# Altium PCB RP2350.PcbDoc (part 1 of 2) (continued)
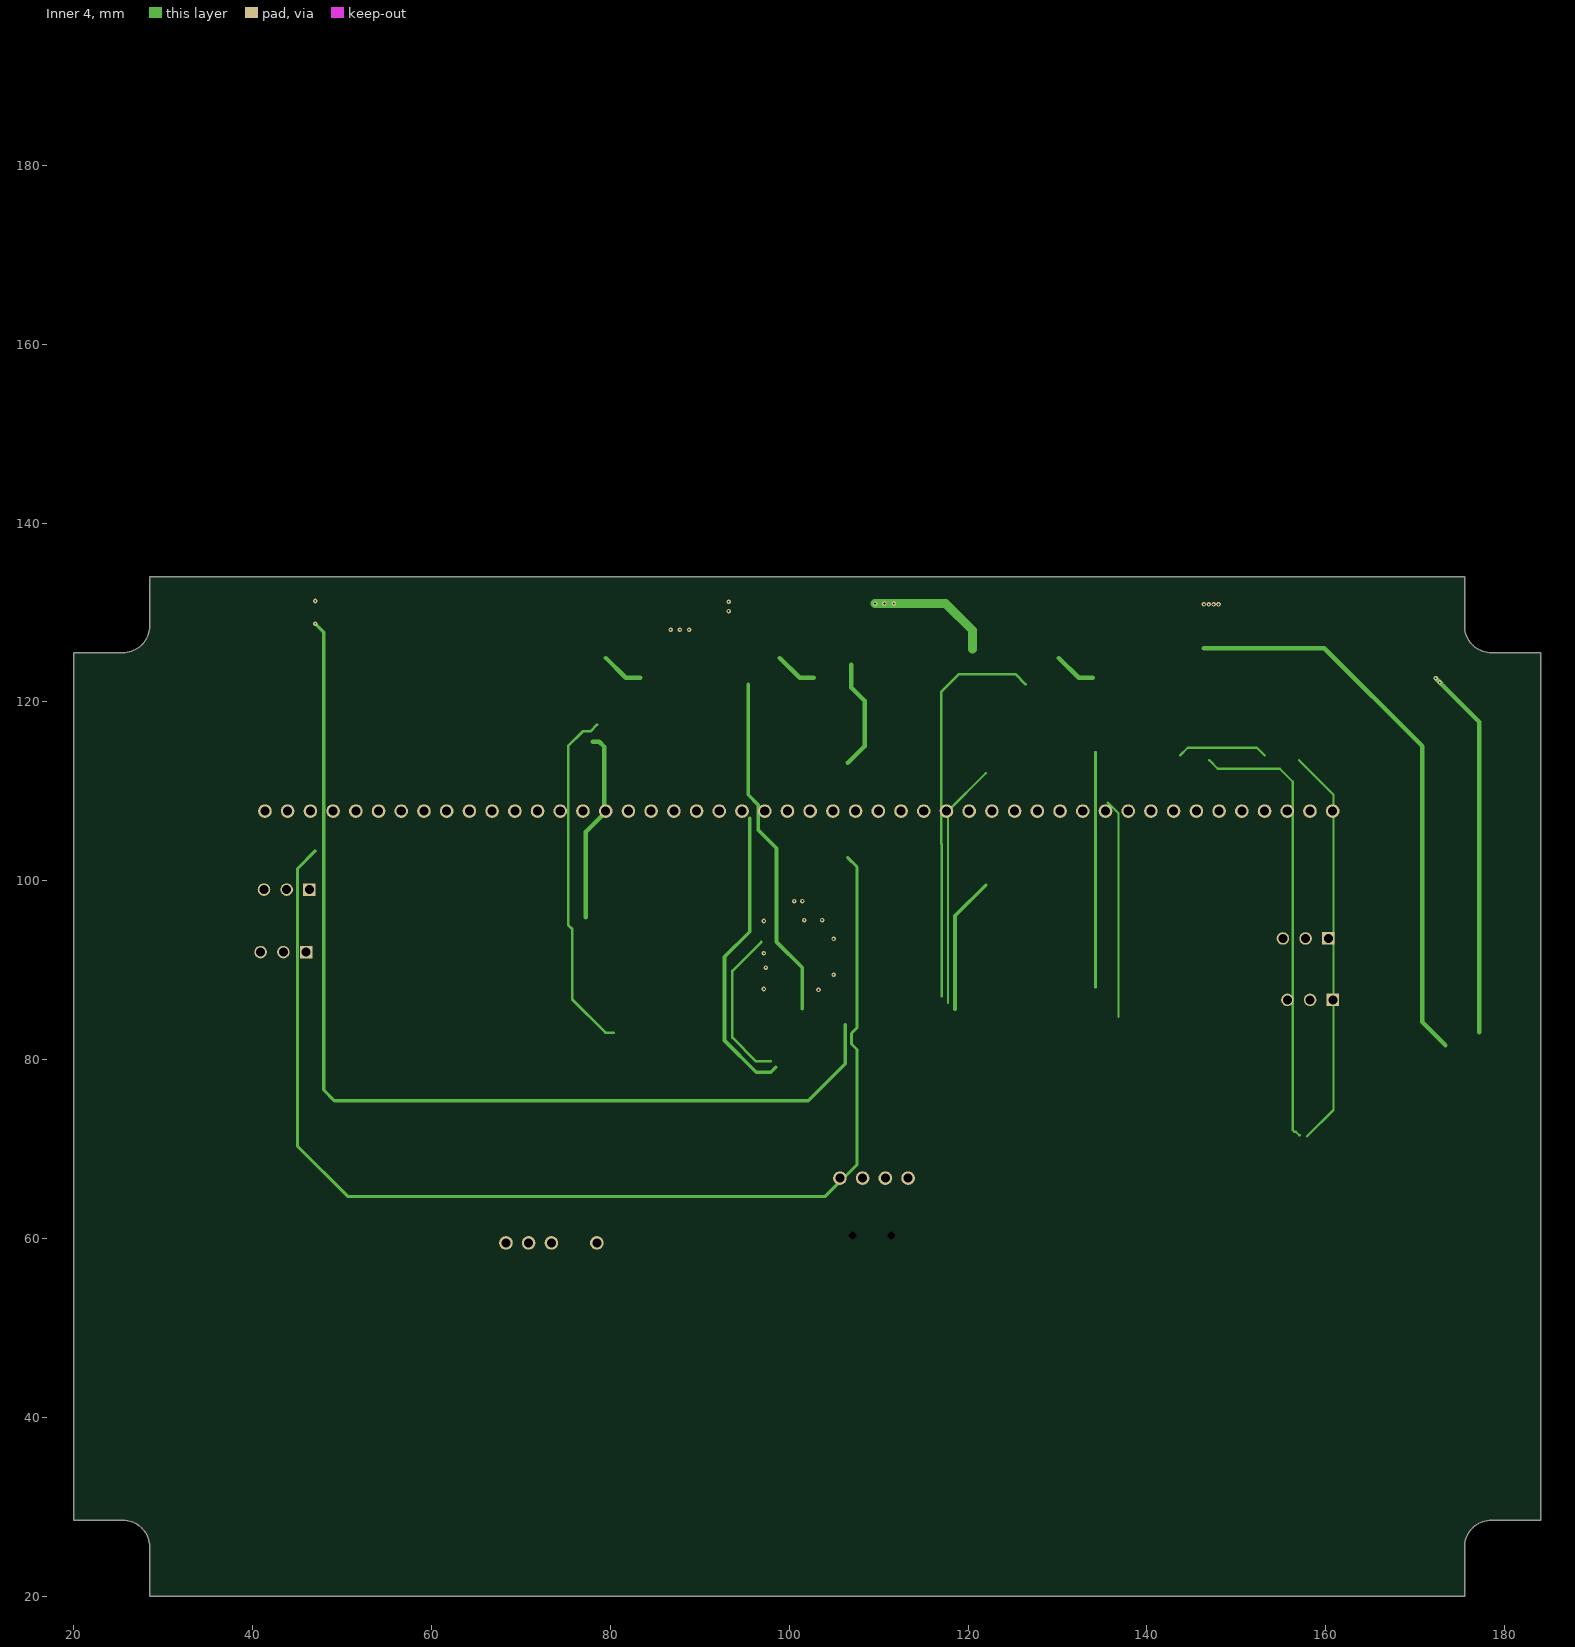
[diagram p6: Inner 4]
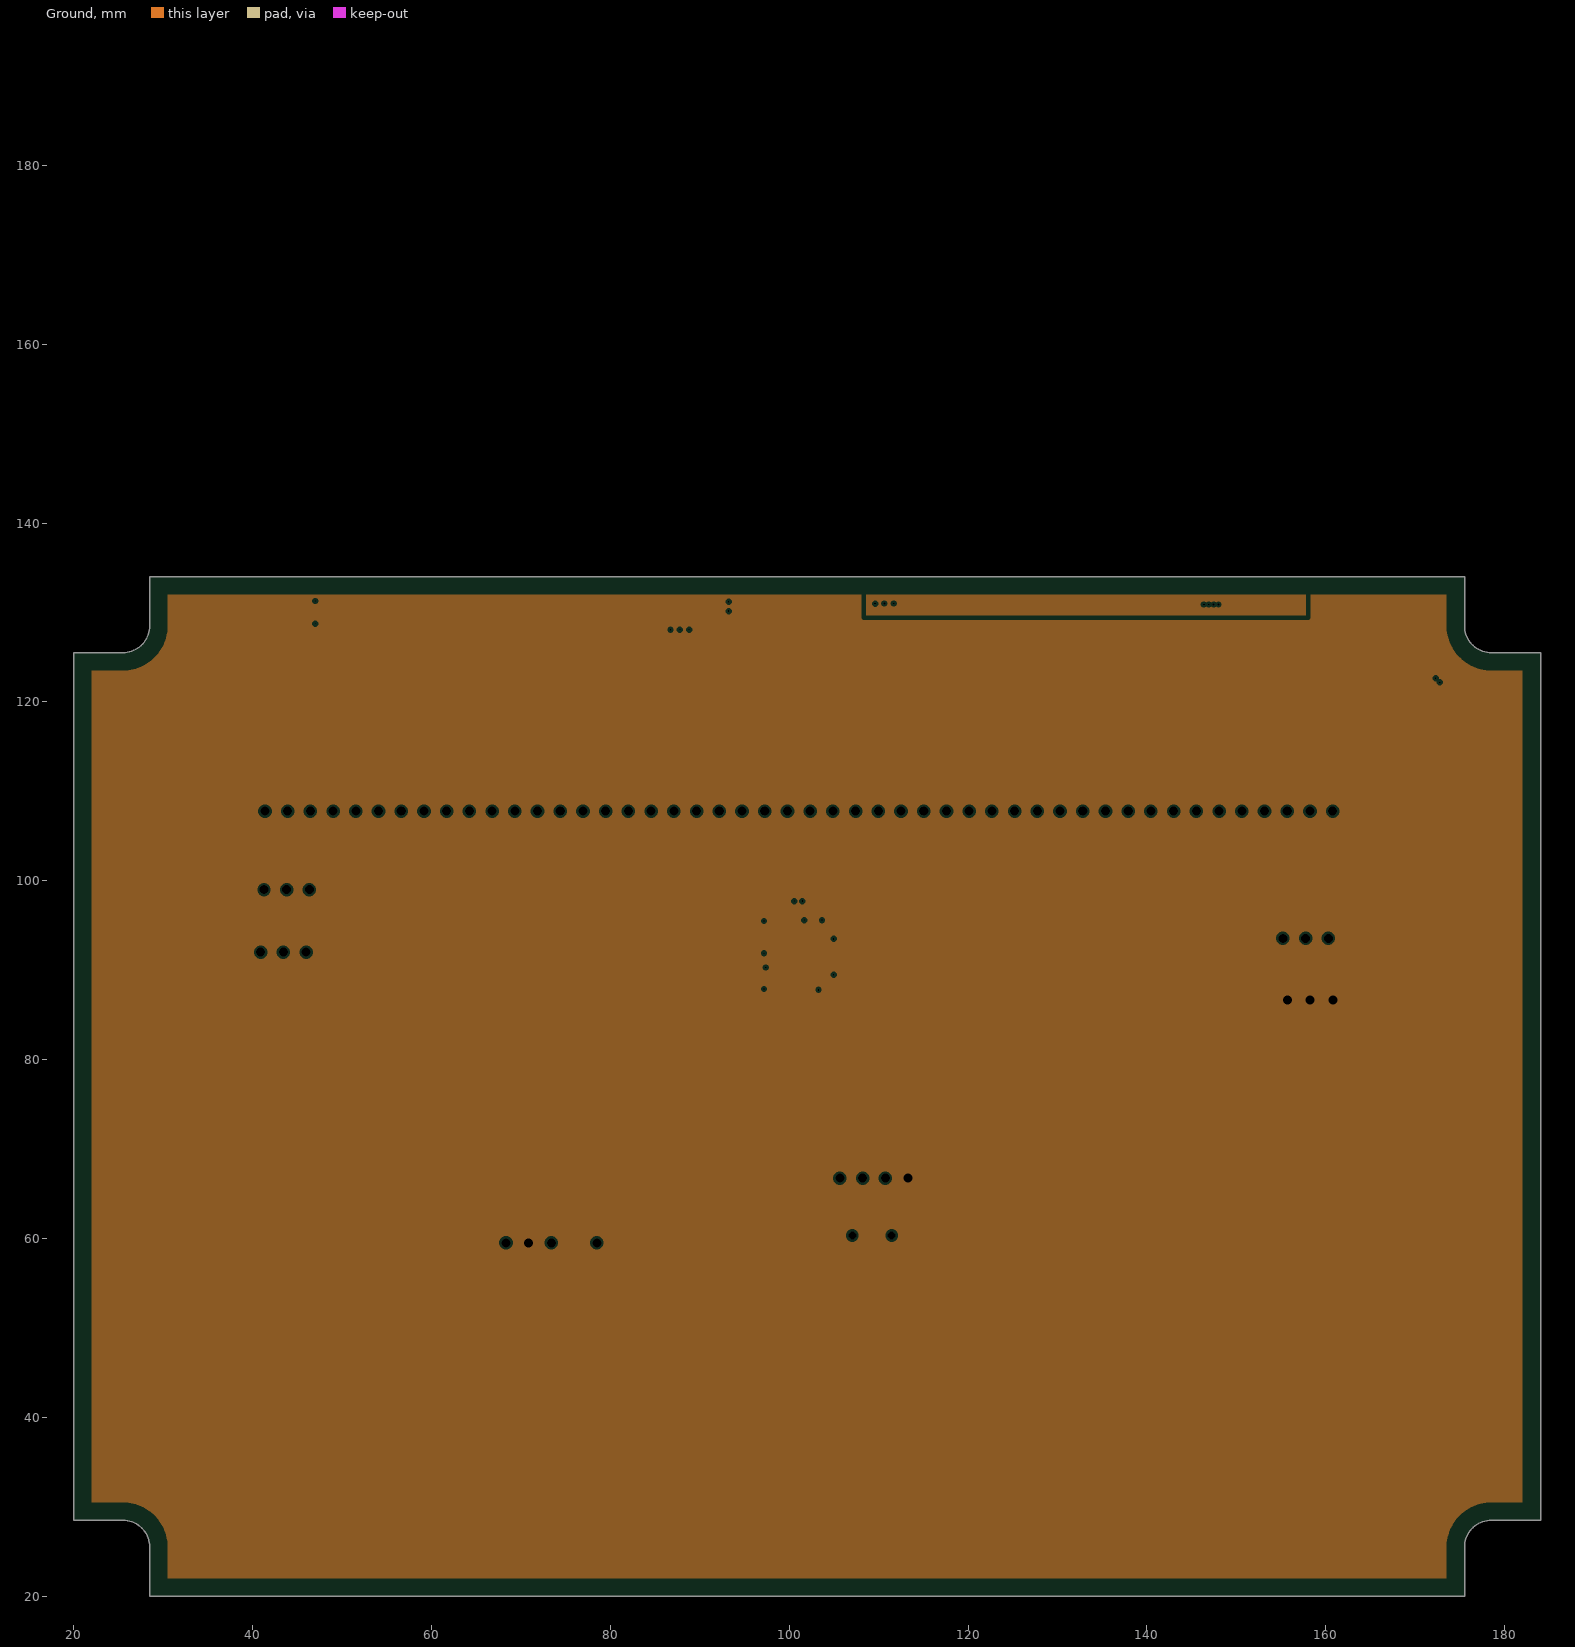
[diagram p7: Ground, clearances drawn from the general rule]

## Layer stack, top to bottom
Top Solder: solder mask 0.0102, Solder Resist, Dk 3.5
Top Layer: signal copper 0.035
Dielectric 1: prepreg 0.114, 1x2116, Dk 4
Power: plane copper 0.035
Dielectric 2: core 0.2, 0.2mm, Dk 4
Inner 1: signal copper 0.035
Dielectric 3: prepreg 0.228, 2x2116, Dk 4
Inner 2: signal copper 0.035
Dielectric 4: core 0.2, 0.2mm, Dk 4
Inner 3: signal copper 0.035
Dielectric 5: prepreg 0.228, 2x2116, Dk 4
Inner 4: signal copper 0.035
Dielectric 6: core 0.2, 0.2mm, Dk 4
Ground: plane copper 0.035, net GND
Dielectric 7: prepreg 0.114, 1x2116, Dk 4
Bottom Layer: signal copper 0.035
Bottom Solder: solder mask 0.0102, Solder Resist, Dk 3.5

## Board outline
20,28.5 25.5,28.5 cw(c25.5,25.5) 28.5,25.5 28.5,20 175.5,20 175.5,25.5 cw(c178.5,25.5) 178.5,28.5 184,28.5 184,125.5 178.5,125.5 cw(c178.5,128.5) 175.5,128.5 175.5,134 28.5,134 28.5,128.5 cw(c25.5,128.5) 25.5,125.5 20,125.5

## Design rules (kind name [scope] priority, off if disabled: settings)
Clearance [All] p1: gap=0.15 ignorepadtopadclearanceinfootprint=TRUE
DiffPairsRouting [All] p1: maxlimit=10 minlimit=0.125 mostfreqgap=0.15 toplayer_minwidth=0.381 toplayer_maxwidth=0.381 toplayer_prefwidth=0.381 midlayer1_minwidth=0.381 midlayer1_maxwidth=0.381 midlayer1_prefwidth=0.381 midlayer2_minwidth=0.381 midlayer2_maxwidth=0.381 midlayer2_prefwidth=0.381 midlayer3_minwidth=0.381 midlayer3_maxwidth=0.381 midlayer3_prefwidth=0.381 midlayer4_minwidth=0.381 midlayer4_maxwidth=0.381 midlayer4_prefwidth=0.381 bottomlayer_minwidth=0.381 bottomlayer_maxwidth=0.381 bottomlayer_prefwidth=0.381 maxuncoupledlength=12.7
FabricationTestPointUsage FabricationTestPointUsage_1 [All] p1: valid=0 allowmultiple=FALSE
FabricationTestpoint FabricationTestpoint_1 [All] p1: side=3 testpointundercomponent=TRUE minsize=1.016 maxsize=2.54 preferedsize=1.524 minholesize=0 maxholesize=1.016 preferedholesize=0.813 testpointgrid=0.025 allowsidetop=TRUE allowsidebottom=TRUE usegrid=TRUE gridtolerance=0
HoleSize [All] p1: absolutevalues=TRUE maxlimit=6 minlimit=0.1 maxpercent=80.000 minpercent=20.000
HoleSize FabricationTestpoint [All] p2 off: absolutevalues=TRUE maxlimit=2.54 minlimit=0.025 maxpercent=80.000 minpercent=20.000
HoleSize FabricationTestPointUsage [All] p3 off: absolutevalues=TRUE maxlimit=2.54 minlimit=0.025 maxpercent=80.000 minpercent=20.000
MinimumSolderMaskSliver [All] p1: minsoldermaskwidth=0.07
MinimumSolderMaskSliver SilkscreenOverComponentPads [All] p2: minsoldermaskwidth=0.254
PlaneClearance [All] p1: clearance=0.254
PlaneConnect [All] p1: planeconnectstyle=Direct reliefexpansion=0.4 reliefentries=4 reliefconductorwidth=0.15 reliefairgap=0.15
PolygonConnect [All] p1: connectstyle=Direct reliefconductorwidth=0.15 reliefentries=4 polygonreliefangle="90 Angle" airgapwidth=0.254
RoutingCorners [All] p1: cornerstyle=45-Degree minsetback=1.25 maxsetback=1.25
RoutingVias [All] p1: holewidth=0.3 width=0.6 viastyle="Through Hole" minholewidth=0.2 minwidth=0.45 maxholewidth=0.45 maxwidth=0.75
SilkToSilkClearance [All] p1: silktosilkclearance=0.15
SilkToSolderMaskClearance [IsPad] p1: minsilkscreentomaskgap=0.12 clearancetoexposedcopper=TRUE
SolderMaskExpansion [All] p1: expansion=0.03 istentingtop=FALSE
Width [All] p1: maxlimit=10 minlimit=0.1 preferedwidth=0.15 toplayer_prefwidth=0.125 midlayer1_minwidth=0.125 midlayer2_minwidth=0.125 midlayer3_minwidth=0.125 midlayer4_minwidth=0.125 bottomlayer_prefwidth=0.125 minimp=50.000000 maximp=50.000000 favimp=50.000000
20 further rules are at their usual default settings.

## Components (designator, comment, footprint, x,y, rotation, side; value= is the part's Value field where it differs from the comment)
C1 "C0402C104J8RACTU" CAPC0402 103.569,91.613 r358 bottom value=100n
C2 "CL05A475KP5NRNC" CAPC0402 95.123,78.181 r0 top value=4u7
C3 "C0402C104J8RACTU" CAPC0402 98.736,90.804 r201 bottom value=100n
C4 "C0402C104J8RACTU" CAPC0402 103.298,92.835 r27 bottom value=100n
C5 "C0402C104J8RACTU" CAPC0402 102.432,93.797 r57 bottom value=100n
C6 "C0402C104J8RACTU" CAPC0402 103.235,90.45 r330 bottom value=100n
C7 "C0402C104J8RACTU" CAPC0402 102.358,89.557 r301 bottom value=100n
C8 "C0402C104J8RACTU" CAPC0402 101.418,94.176 r82 bottom value=100n
C9 "C0402C104J8RACTU" CAPC0402 99.302,89.932 r225 bottom value=100n
C10 "C0402C104J8RACTU" CAPC0402 98.574,91.831 r177 bottom value=100n
C11 "C0402C104J8RACTU" CAPC0402 99.333,93.498 r138.99 bottom value=100n
C12 "CL05A105KP5NNNC" CAPC0402 97.79,76.957 r270 top value=1u
C13 "C0402C104J8RACTU" CAPC0402 96.774,76.957 r90 top value=100n
C14 "CL05A475KP5NRNC" CAPC0402 95.504,85.439 r270 top value=4u7
C15 "CL05A105KP5NNNC" CAPC0402 107.315,75.133 r270 top value=1u
C16 "C0402C104J8RACTU" CAPC0402 106.299,75.133 r90 top value=100n
C18 "6V3" CAPC0603 98.07,84.25 r0 top value=4u7
C19 "6V3" CAPC0603 98.07,82.988 r0 top value=4u7
C20 "C0402C104J8RACTU" CAPC0402 102.07,83.162 r90 top value=100n
C21 "0603" CAPC0603 87.949,58.242 r0 top value=10u
C22 "0603" CAPC0603 87.949,59.512 r0 top value=10u
C23 "GJM1555C1H3R0BB01D" CAPC0402 101.211,99.498 r270 top value=15pF
C24 "GJM1555C1H3R0BB01D" CAPC0402 100.711,100.717 r180 top value=15pF
C25 "CL05A105KP5NNNC" CAPC0402 96.52,61.787 r90 top value=1u
C26 "CL05A105KP5NNNC" CAPC0402 95.98,67.521 r0 top value=1u
D1 "LM4040D30FTA" SOT23-3 89.503,89.25 r270 top value=3V
JP1 "5110 Keystone" JumperSMD_0603 110.236,81.32 r0 top value=0R
JP2 "5110 Keystone" JumperSMD_0603 94.869,70.815 r180 top value=0R
JP3 "5110 Keystone" JumperSMD_0603 89.865,70.815 r0 top value=0R
L1 "IND_3u3_2X1.6mm_1.4A_20%" IND_0806 98.121,81.338 r180 top value=3u3
R1 "0603" RESC0603 107.315,81.32 r180 top value=10K
R3 "RC0402FR-0733RL" RESC0402 95.504,83.75 r90 top value=33R
R4 "0603" RESC0603 107.315,79.995 r0 top value=13K7
R5 "0603" RESC0603 107.315,78.689 r180 top value=16K5
R6 "RC0402FR-071KL" RESC0402 122.798,76.041 r90 top value=1K
R7 "RC0402FR-071KL" RESC0402 115.062,76.13 r90 top value=1K
R8 "CRCW040214K3FKED" RESC0402 100.47,83.162 r90 top value=27
R9 "CRCW040214K3FKED" RESC0402 101.27,83.162 r90 top value=27
R10 "301R_0402_63mW_1%_100ppm" RESC0402 90.253,86.944 r180 top value=301
R11 "RC0402FR-071KL" RESC0402 100.211,99.498 r270 top value=1K
SW1 "434133025816" 434133025816 124.873,72.788 r180 top
SW2 "434133025816" 434133025816 117.137,72.788 r180 top
U1 "IS25WP128-JLLE" WSON8-6x8 101.6,73.482 r90 top value="16M x 8 FLASH @ 133MHz"
U2 "APS6404L-SQN-SN" "SOP-8L (150)" 110.744,73.228 r90 top value="8M x 8 PSRAM @ 144MHz"
U3 "RP2350B" QFN-80 101.07,91.7 r180 top
U4 "AP2127K-1.8TRG1" SOT23-5 96.52,64.727 r0 top
U5 "NCP1117LPST33T3G" SOT-232-4 89.154,64.719 r0 top
X1 "HMTSW-148-07-G-S-240" HDR_TH_1X48_M_00 101.07,107.793 r180 bottom
X2 "825433-3" HDR_TH_1X3_M_00 157.734,93.548 r180 bottom value=HDR_TH_1X3_M_00
X3 "825433-3" HDR_TH_1X3_M_00 43.815,99.009 r180 bottom value=HDR_TH_1X3_M_00
X4 "HMTSW-104-07-G-S-240" HDR_TH_1X4_M_00 109.474,66.751 r0 top value=HDR_TH_1X4_M_00
X5 "825433-3" HDR_TH_1X3_M_00 43.434,92.024 r180 bottom value=HDR_TH_1X3_M_00
X6 "825433-3" HDR_TH_1X3_M_00 158.242,86.69 r180 bottom value=HDR_TH_1X3_M_00
X7 "1734327-1" 1734327-1 109.258,59.341 r90 top
X8 "HMTSW-106-07-G-S-240" HDR_TH_1X3+0+1_M_00 73.406,59.512 r0 top value=HDR_TH_1X3+1_M_00
Y1 "ABM8-272-T3" ABM8 100.711,102.811 r270 top value=12MHz

## Footprints (in the part's own frame and the unit in brackets; to place one, negate y for a bottom-side part, rotate by r counter-clockwise, add the part's x,y. Pads: shape width x height; smd on the part's side, far side on the other; paste and mask are expansions set on the pad)
1734327-1 [mm] "CONN RCPT USB2.0 MINI A SMD R/A"
  round 0.8 hole 0.9 unplated mask+0: 0(1,2.2) 0(1,-2.2)
  rect 2.3x0.5 smd: 1(3.6,1.6) 2(3.6,0.8) 3(3.6,0) 4(3.6,-0.8) 5(3.6,-1.6)
  rect 2.5x2 smd: 6(3.5,-4.45) 7(-2,-4.45) 8(-2,4.45) 9(3.5,4.45)
  body extent -4.95,-4.95 4.25,4.95, height 4.14
434133025816 [mm] "Push Button 4.2x3.2mm"
  rect 1.05x0.65 smd mask+0: 1(-2.075,1.075) 2(2.075,1.075) 3(-2.075,-1.075) 4(2.075,-1.075)
  silkscreen extent -2.3,-1.6 2.3,1.6, body extent -2.3,-1.6 2.3,1.6, height 2.5
ABM8 [mm] "Abracon ABM8 series footrpint"
  rect 1.1x1.4 smd: 1(-0.8,1.1) 2(-0.8,-1.1) 3(0.8,-1.1) 4(0.8,1.1)
  silkscreen extent -2.03,2.07 -1.77,2.33, body extent -1.35,-1.7 1.35,1.7, height 0.76
CAPC0402 [mm] "Chip Capacitor; Body 1.0x0.5mm (LxW typ) [0402], IPC High Density"
  rect 0.55x0.55 smd paste+0 mask+0.05: 1(-0.4,0) 2(0.4,0)
  body extent -0.5,-0.25 0.5,0.25, height 0.5
CAPC0603 [mm] "Chip Capacitor; Body 1.6x0.8mm (LxW typ) [0603], IPC High Density"
  rect 0.75x0.9 smd paste+0 mask+0.05: 1(-0.7,0) 2(0.7,0)
  body extent -0.8,-0.4 0.8,0.4, height 0.8
HDR_TH_1X3+0+1_M_00 [mil] "Header; 1x5 pins (one is key); Male; Straight; Pitch 2.54mm; Samtec HMTSW Series"
  round 60 hole 40 paste-99999 mask+1.97: 1(-200,0) 2(-100,0) 3(0,0) 4(200,0)
  silkscreen extent -250,-50 250,50, body extent -250,-49 250,49, height 340
HDR_TH_1X3_M_00 [mm] "Header; 1x3 pins; Male; Straight; Pitch 2.54mm"
  rect 1.4x1.4 hole 1 paste-2539.97 mask+0.05: 1(-2.54,0)
  round 1.4 hole 1 paste-2539.97 mask+0.05: 2(0,0) 3(2.54,0)
  silkscreen extent -3.81,-1.27 3.81,1.27, body extent -3.94,-1.27 3.81,1.27, height 10.67
HDR_TH_1X4_M_00 [mil] "Header; 1x4 pins; Male; Straight; Pitch 2.54mm; Samtec HMTSW Series"
  round 60 hole 40 paste-99999 mask+1.97: 1(-150,0) 2(-50,0) 3(50,0) 4(150,0)
  silkscreen extent -200,-50 200,50, body extent -200,-49 200,49, height 340
HDR_TH_1X48_M_00 [mil] "Header; 1x48 pins; Male; Straight; Pitch 2.54mm; Samtec HMTSW Series"
  round 60 hole 40 paste-99999 mask+1.97: 1(-2350,0) 2(-2250,0) 3(-2150,0) 4(-2050,0) 5(-1950,0) 6(-1850,0) 7(-1750,0) 8(-1650,0) 9(-1550,0) 10(-1450,0) 11(-1350,0) 12(-1250,0) 13(-1150,0) 14(-1050,0) 15(-950,0) 16(-850,0) 17(-750,0) 18(-650,0) 19(-550,0) 20(-450,0) 21(-350,0) 22(-250,0) 23(-150,0) 24(-50,0) 25(50,0) 26(150,0) 27(250,0) 28(350,0) 29(450,0) 30(550,0) 31(650,0) 32(750,0) 33(850,0) 34(950,0) 35(1050,0) 36(1150,0) 37(1250,0) 38(1350,0) 39(1450,0) 40(1550,0) 41(1650,0) 42(1750,0) 43(1850,0) 44(1950,0) 45(2050,0) 46(2150,0) 47(2250,0) 48(2350,0)
  silkscreen extent -2400,-49 2400,49, body extent -2400,-49 2400,49, height 340
IND_0806 [mm] "Inductor 0806 (2016 metric)"
  rect 0.6x1.6 smd paste-2539.97 mask+0.05: 1(-0.725,0) 2(0.725,0)
  body extent -1,-0.8 1,0.8, height 1
JumperSMD_0603 [mm] "Chip Resistor, Body 1.6x0.8mm (LxW typ), IPC High Density"
  rect 1.2x1 smd paste-1 mask+0.05: 1(-0.711,0) 2(0.711,0)
  body extent -0.77,-0.42 0.78,0.43, height 0.7
QFN-80 [mm] "Raspberry pi"
  rect 3.4x3.4 smd paste-2539.97 mask+0.05: 0(0,0)
  rect 0.78x0.22 smd paste-2539.97 mask+0.05: 1(-4.897,3.8) 2(-4.897,3.4) 3(-4.897,3) 4(-4.897,2.6) 5(-4.897,2.2) 6(-4.897,1.8) 7(-4.897,1.4) 8(-4.897,1) 9(-4.897,0.6) 10(-4.897,0.2) 11(-4.897,-0.2) 12(-4.897,-0.6) 13(-4.897,-1) 14(-4.897,-1.4) 15(-4.897,-1.8) 16(-4.897,-2.2) 17(-4.897,-2.6) 18(-4.897,-3) 19(-4.897,-3.4) 20(-4.897,-3.8) 41(4.897,-3.8) 42(4.897,-3.4) 43(4.897,-3) 44(4.897,-2.6) 45(4.897,-2.2) 46(4.897,-1.8) 47(4.897,-1.4) 48(4.897,-1) 49(4.897,-0.6) 50(4.897,-0.2) 51(4.897,0.2) 52(4.897,0.6) 53(4.897,1) 54(4.897,1.4) 55(4.897,1.8) 56(4.897,2.2) 57(4.897,2.6) 58(4.897,3) 59(4.897,3.4) 60(4.897,3.8)
  rect 0.22x0.78 smd paste-2539.97 mask+0.05: 21(-3.8,-4.896) 22(-3.4,-4.896) 23(-3,-4.896) 24(-2.6,-4.896) 25(-2.2,-4.896) 26(-1.8,-4.896) 27(-1.4,-4.896) 28(-1,-4.896) 29(-0.6,-4.896) 30(-0.2,-4.896) 31(0.2,-4.896) 32(0.6,-4.896) 33(1,-4.896) 34(1.4,-4.896) 35(1.8,-4.896) 36(2.2,-4.896) 37(2.6,-4.896) 38(3,-4.896) 39(3.4,-4.896) 40(3.8,-4.896) 61(3.796,4.905) 62(3.4,4.896) 63(3,4.896) 64(2.6,4.896) 65(2.2,4.896) 66(1.8,4.896) 67(1.4,4.896) 68(1,4.896) 69(0.6,4.896) 70(0.2,4.896) 71(-0.2,4.896) 72(-0.6,4.896) 73(-1,4.896) 74(-1.4,4.896) 75(-1.8,4.896) 76(-2.2,4.896) 77(-2.6,4.896) 78(-3,4.896) 79(-3.4,4.896) 80(-3.8,4.896)
  body extent -5.02,-5.02 5.02,5.02, height 0.85
RESC0402 [mm] "Chip Resistor, Body 1.1x0.5mm (LxW typ) [0402], IPC High Density"
  rect 0.5x0.5 smd paste+0 mask+0.05: 1(-0.4,0) 2(0.4,0)
  body extent -0.5,-0.25 0.5,0.25, height 0.35
RESC0603 [mm] "Chip Resistor, Body 1.6x0.8mm (LxW typ) [0603], IPC High Density"
  rect 0.75x0.9 smd paste+0 mask+0.05: 1(-0.7,0) 2(0.7,0)
  body extent -0.8,-0.4 0.8,0.4, height 0.45
"SOP-8L (150)" [mm] "apmemory SOP-8L(150)"
  rect 1.4x0.55 smd paste-2539.97 mask+0.05: 1(-2.75,1.905) 2(-2.75,0.635) 3(-2.75,-0.635) 4(-2.75,-1.905) 5(2.75,-1.905) 6(2.75,-0.635) 7(2.75,0.635) 8(2.75,1.905)
  silkscreen extent -3.1,2.7 -2.7,3.1, body extent -3.02,-2.51 3.02,2.51, height 1.6
SOT23-3 [mm]
  rect 0.8x0.9 smd paste+0 mask+0.05: 1(0.95,1.15)
  rrect50% 0.8x0.9 smd paste+0 mask+0.05: 2(-0.95,1.15) 3(0,-1.15)
  body extent -1.45,-1.4 1.45,1.4, height 1.3
SOT23-5 [mil] "SOT 23 5 lead"
  rect 28x39 smd paste+0 mask+1.97: 1(-37,-51)
  rrect50% 28x39 smd paste+0 mask+1.97: 2(0,-51) 3(37,-51) 4(37,51) 5(-37,51)
  body extent -59,-49 59,49, height 42
SOT-232-4 [mm] "onsemi"
  rect 1.5x2 smd: 1(-2.3,-3.15) 2(0,-3.15) 3(2.3,-3.15)
  rect 3.2x2 smd: 4(0,3.15)
  silkscreen extent -4.27,-3.57 3.48,1.98, body extent -3.35,-3.64 3.35,3.64, height 1.81
WSON8-6x8 [mm]
  rect 4.7x4.9 smd paste-2539.97 mask+0.05: 0(0,0)
  rect 1.05x0.57 smd paste-2539.97 mask+0.05: 1(-3.875,1.905) 2(-3.875,0.635) 3(-3.875,-0.635) 4(-3.875,-1.905) 5(3.875,-1.905) 6(3.875,-0.635) 7(3.875,0.635) 8(3.875,1.905)
  silkscreen extent -4.1,3.07 -3.9,3.28, body extent -4,-3 4,3, height 0.81

## Part data
C1 C3 C4 C5 C6 C7 C8 C9 C10 C11 C13 C16 C20: library part 100n_0402_10V_X7R_5%, "Capacitor; Ceramic; 100n; 0402; 10V; X7R; 5%; -55°C ~ 125°C", Manufacturer=KEMET, Supplier Part Number 1=399-8942-6-ND, ComponentLink1Description=Datasheet, ComponentLink1URL=https://content.kemet.com/datasheets/KEM_C1002_X7R_SMD.pdf, ComponentLink2Description="Supplier Info", ComponentLink2URL=https://www.digikey.com/en/products/detail/kemet/C0402C104J8RACTU/2196231?s=N4IgTCBcDaIMwE4EFoAcCAsZkDZkDkAREAXQF8g, Manufacturer Part Number=C0402C104J8RACTU, Supplier 1=DigiKey
C2 C14: library part 4u7_0402_10V_X5R_10%, "Capacitor; Ceramic; 4.7u; 0402; 10V; X5R; 10%; -55°C ~ 85°C", Manufacturer="Samsung Electro-Mechanics", Supplier Part Number 1=1276-1480-6-ND, ComponentLink1Description=Datasheet, ComponentLink1URL=https://media.digikey.com/pdf/Data%20Sheets/Samsung%20PDFs/CL05A475KP5NRNC_Spec.pdf, ComponentLink2Description="Supplier Info", ComponentLink2URL=https://www.digikey.com/en/products/detail/samsung-electro-mechanics/CL05A475KP5NRNC/3887138?s=N4IgTCBcDaIIxgOwDYC0cAsAOADKtAcgCIgC6AvkA, Manufacturer Part Number=CL05A475KP5NRNC, Supplier 1=DigiKey
C12 C15 C25 C26: library part 1u_0402_10V_X5R_10%, "Capacitor; Ceramic; 1u; 0402; 10V; X5R; 10%; -55°C ~ 85°C", Manufacturer="Samsung Electro-Mechanics", Supplier Part Number 1=1276-1076-6-ND, ComponentLink1Description=Datasheet, ComponentLink1URL=https://www.samsungsem.com/resources/file/global/support/product_catalog/MLCC.pdf, ComponentLink2Description="Supplier Info", ComponentLink2URL=https://www.digikey.com/en/products/detail/samsung-electro-mechanics/CL05A105KP5NNNC/3886734?s=N4IgTCBcDaIIxgOwDYC0cAMLVoHIBEQBdAXyA, Manufacturer Part Number=CL05A105KP5NNNC, Supplier 1=DigiKey
C18 C19: library part 4u7_0603_6V3_X7S_10%, "Capacitor; Ceramic; 4.7u; 0603; 6.3V; X7S; 10%; -55°C ~ 125°C", Manufacturer="Murata Electronics", Manufacturer Part Number=GCJ188C70J475KE02D, Supplier Part Number 1=490-16480-1-ND, ComponentLink1Description=Datasheet, ComponentLink1URL=https://search.murata.co.jp/Ceramy/image/img/A01X/G101/ENG/GCJ188C70J475KE02-01.pdf, ComponentLink2Description="Supplier Info", ComponentLink2URL=https://www.digikey.de/en/products/detail/murata-electronics/GCJ188C70J475KE02D/7363224, Supplier 1=DigiKey
C21 C22: library part 10u_0603_16V_X5R_10%, "Capacitor; Ceramic; 10u; 0603; 16V; X5R; 10%; -55°C ~ 85°C", Manufacturer="Murata Electronics", Manufacturer Part Number=GRM188R61C106KAALD, Supplier Part Number 1=490-10728-6-ND, ComponentLink1Description=Datasheet, ComponentLink1URL=https://search.murata.co.jp/Ceramy/image/img/A01X/G101/ENG/GRM188R61C106KAAL-01.pdf, ComponentLink2Description="Supplier Info", ComponentLink2URL=https://www.digikey.com/en/products/detail/murata-electronics/GRM188R61C106KAALD/4905338?s=N4IgTCBcDaICwE4AMBaAjEg7GAHCgbCgHIAiIAugL5A, Supplier 1=DigiKey
C23 C24: library part 15p_0402_25V_C0G/NP0_5%, "Capacitor; Ceramic; 15p; 0402; 25V; C0G/NP0; +/-5%; -55°C ~ 125°C", Manufacturer=YAGEO, Manufacturer Part Number=CC0402JRNPO8BN150, Supplier Part Number 1=311-3746-1-ND, ComponentLink1Description=Datasheet, ComponentLink1URL=https://www.yageo.com/upload/media/product/productsearch/datasheet/mlcc/UPY-GP_NP0_16V-to-50V_18.pdf, ComponentLink2Description="Supplier Info", ComponentLink2URL=https://www.digikey.de/en/products/detail/yageo/CC0402JRNPO8BN150/5883268, Supplier 1=DigiKey
D1: "Shunt Voltage Reference IC Fixed 3V ±1% 15 mA SOT-23-3", Manufacturer="Diodes Incorporated", Supplier Part Number 1=LM4040D30FTADICT-ND, ComponentLink1Description=Datasheet, ComponentLink1URL=https://www.diodes.com/assets/Datasheets/LM4040.pdf, ComponentLink2Description="Supplier Info", ComponentLink2URL=https://www.digikey.de/en/products/detail/diodes-incorporated/LM4040D30FTA/4249974, Manufacturer Part Number=LM4040D30FTA, Supplier 1=Digi-Key
JP1 JP2 JP3: library part JMP_0R_0603, "Jumper; Chip; 0R; 0603; 500mW", Manufacturer=Keystone, Manufacturer Part Number=5110, Supplier Part Number 1=36-5110CT-ND, ComponentLink1Description=Datasheet, ComponentLink1URL=https://www.keyelco.com/userAssets/file/M65p54.pdf, ComponentLink2Description="Supplier Info", ComponentLink2URL=https://www.digikey.com/en/products/detail/keystone-electronics/5110/5118870?s=N4IgTCBcDaINIFMCeBnALgewHYIAQFYBGQgBhAF0BfIA, Supplier 1=DigiKey
L1: "3.3 µH Shielded Inductor 1.4 A 225mOhm Max 0806", Manufacturer="Bourns Inc.", Manufacturer Part Number=SRP2010DPA-3R3M, Supplier Part Number 1=118-SRP2010DPA-3R3MCT-ND, ComponentLink1Description="Supplier Info", ComponentLink1URL=https://www.digikey.de/en/products/detail/bourns-inc/SRP2010DPA-3R3M/16185975?s=N4IgTCBcDaIMoCUAKYAMBGVARJBBAtAMwKECyIAugL5A, ComponentLink2Description=Datasheet, ComponentLink2URL=https://mm.digikey.com/Volume0/opasdata/d220001/medias/docus/5338/SRP2010DPA_Series_DS.pdf, Supplier 1=Digi-Key
R1: library part 10K_0603_100mW_1%_100ppm, "Resistor; Chip; 10k; 0603; 75V; 1%; 100ppm; 100mW; -55°C ~ 155°C", Manufacturer=Yageo, Manufacturer Part Number=RC0603FR-0710KL, Supplier Part Number 1=311-10.0KHRDKR-ND, ComponentLink1Description=Datasheet, ComponentLink1URL=https://www.yageo.com/upload/media/product/productsearch/datasheet/rchip/PYu-RC_Group_51_RoHS_L_11.pdf, ComponentLink2Description="Supplier Info", ComponentLink2URL=https://www.digikey.com/en/products/detail/yageo/RC0603FR-0710KL/726880?s=N4IgTCBcDaIMwEYEFoEAYB0aDSAJASgCLb7IByhIAugL5A, Supplier 1=DigiKey
R3: library part 33R_0402_63mW_1%_100ppm, "Resistor; Chip; 33R; 0402; 50V; 1%; 100ppm; 63mW; -55°C ~ 155°C", Manufacturer=Yageo, Supplier Part Number 1=311-33.0LRDKR-ND, ComponentLink1Description=Datasheet, ComponentLink1URL=https://www.yageo.com/upload/media/product/productsearch/datasheet/rchip/PYu-RC_Group_51_RoHS_L_11.pdf, ComponentLink2Description="Supplier Info", ComponentLink2URL=https://www.digikey.com/en/products/detail/yageo/RC0402FR-0733RL/726593?s=N4IgTCBcDaIMwEYEFo5wHQAYAyAlAIgNK7IBy%2BIAugL5A, Manufacturer Part Number=RC0402FR-0733RL, Supplier 1=DigiKey
R4: library part 13K7_0603_100mW_0.1%_25ppm, "Resistor; Chip; 13K7; 0603; 0.1%; 25ppm; 100mW; -55°C ~ 155°C", Manufacturer=YAGEO, Manufacturer Part Number=RT0603BRD0713K7L, Supplier Part Number 1=YAG4473CT-ND, ComponentLink1Description=Datasheet, ComponentLink1URL=https://www.yageo.com/upload/media/product/app/datasheet/rchip/pyu-rt_1-to-0.01_rohs_l.pdf, ComponentLink2Description="Supplier Info", ComponentLink2URL=https://www.digikey.de/en/products/detail/yageo/RT0603BRD0713K7L/1072241, Supplier 1=DigiKey
R5: library part 16K5_0603_100mW_0.1%_25ppm, "Resistor; Chip; 16K5; 0603; 0.1%; 25ppm; 100mW; -55°C ~ 155°C", Manufacturer=YAGEO, Manufacturer Part Number=RT0603BRD0716K5L, Supplier Part Number 1=YAG1544CT-ND, ComponentLink1Description=Datasheet, ComponentLink1URL=https://www.yageo.com/upload/media/product/app/datasheet/rchip/pyu-rt_1-to-0.01_rohs_l.pdf, ComponentLink2Description="Supplier Info", ComponentLink2URL=https://www.digikey.de/en/products/detail/yageo/RT0603BRD0716K5L/1072278, Supplier 1=DigiKey
R6 R7 R11: library part 1K_0402_63mW_1%_100ppm, "Resistor; Chip; 1k; 0402; 50V; 1%; 100ppm; 63mW; -55°C ~ 155°C", Manufacturer=Yageo, Supplier Part Number 1=311-1.00KLRDKR-ND, ComponentLink1Description=Datasheet, ComponentLink1URL=https://www.yageo.com/upload/media/product/productsearch/datasheet/rchip/PYu-RC_Group_51_RoHS_L_11.pdf, ComponentLink2Description="Supplier Info", ComponentLink2URL=https://www.digikey.com/en/products/detail/yageo/RC0402FR-071KL/726513?s=N4IgTCBcDaIMwEYEFoEDoAMGDSAZASgCLb7IByhIAugL5A, Manufacturer Part Number=RC0402FR-071KL, Supplier 1=DigiKey
R8 R9: library part 27R_0402_63mW_1%_100ppm, "Resistor; Chip; 27Ohm; 0402; 1%; 100ppm; 63mW; -55°C ~ 155°C", Manufacturer=YAGEO, Manufacturer Part Number=RC0402FR-0727RL, Supplier Part Number 1=YAG3086CT-ND, ComponentLink1Description=Datasheet, ComponentLink1URL=https://www.yageo.com/upload/media/product/products/datasheet/rchip/PYu-RC_Group_51_RoHS_L_12.pdf, ComponentLink2Description="Supplier Info", ComponentLink2URL=https://www.digikey.de/en/products/detail/yageo/RC0402FR-0727RL/5280946, Supplier 1=DigiKey
R10: "Resistor; Chip; 301R; 0402; 1%; 100ppm; 63mW; -55°C ~ 155°C", Manufacturer=YAGEO, Manufacturer Part Number=RC0402FR-07301RL, Supplier Part Number 1=311-301LRCT-ND, ComponentLink1Description=Datasheet, ComponentLink1URL=https://www.yageo.com/upload/media/product/products/datasheet/rchip/PYu-RC_Group_51_RoHS_L_12.pdf, ComponentLink2Description="Supplier Info", ComponentLink2URL=https://www.digikey.de/en/products/detail/yageo/RC0402FR-07301RL/726591, Supplier 1=DigiKey
SW1 SW2: "SWITCH TACTILE SPST-NO 0.05A 16V", Manufacturer="Würth Elektronik", Supplier Part Number 1=732-13663-1-ND, ComponentLink1Description=Datasheet, ComponentLink1URL=https://www.we-online.com/components/products/datasheet/434133025816.pdf, ComponentLink2Description="Supplier Info", ComponentLink2URL=https://www.digikey.de/en/products/detail/w%C3%BCrth-elektronik/434133025816/9950810?s=N4IgTCBcDaICwGY4EYEIAxgKwA5kDYQBdAXyA, Manufacturer Part Number=434133025816, Supplier 1=Digi-Key
U1: "IC FLASH 128MBIT SPI/QUAD 8WSON", Manufacturer="ISSI, Integrated Silicon Solution Inc", Supplier Part Number 1=706-1625-ND, ComponentLink1Description=Datasheet, ComponentLink1URL=https://www.issi.com/WW/pdf/25WP128.pdf, ComponentLink2Description="Supplier Info", ComponentLink2URL=https://www.digikey.de/en/products/detail/issi-integrated-silicon-solution-inc/IS25WP128-JLLE/7567476, Manufacturer Part Number=IS25WP128-JLLE, Supplier 1=Digi-Key
U2: "IC PSRAM 64MBIT QSPI SOP-8L", Manufacturer="AP Memory", Supplier Part Number 1=878-APS6404L-SQN-SN, ComponentLink1Description=Datasheet, ComponentLink1URL=https://www.mouser.de/datasheet/2/1127/APM_PSRAM_QSPI_APS6404L_SQN_v3_6_PKG-1954836.pdf, ComponentLink2Description="Supplier Info", ComponentLink2URL=https://www.mouser.de/ProductDetail/AP-Memory/APS6404L-SQN-SN?qs=sGAEpiMZZMutXGli8Ay4kD40unR62EiRpDwP77v2d3Y%3D, Manufacturer Part Number=APS6404L-SQN-SN, Supplier 1=Mouser
U3: "IC MCU 32BIT EXT MEM 80QFN", ComponentLink1Description=Datasheet, ComponentLink1URL=https://datasheets.raspberrypi.com/rp2350/rp2350-datasheet.pdf, ComponentLink2Description="Supplier Info"
U4: "IC REG LINEAR 1.8V 300MA SOT23-5", Manufacturer="Diodes Incorporated", Supplier Part Number 1=AP2127K-1.8TRG1DICT-ND, ComponentLink1Description=Datasheet, ComponentLink1URL=https://www.diodes.com/assets/Datasheets/AP2127.pdf, ComponentLink2Description="Supplier Info", ComponentLink2URL=https://www.digikey.de/en/products/detail/diodes-incorporated/AP2127K-1-8TRG1/4470784, Manufacturer Part Number=AP2127K-1.8TRG1, Supplier 1=Digi-Key
U5: "IC REG LINEAR 3.3V 1A SOT223", Manufacturer=onsemi, Supplier Part Number 1=NCP1117LPST33T3GOSCT-ND, ComponentLink1Description=Datasheet, ComponentLink1URL=https://www.onsemi.com/pdf/datasheet/ncp1117lp-d.pdf, ComponentLink2Description="Supplier Info", ComponentLink2URL=https://www.digikey.de/en/products/detail/onsemi/NCP1117LPST33T3G/2194024, Manufacturer Part Number=NCP1117LPST33T3G, Supplier 1=DigiKey
X1: library part HDR_TH_1X48_M_00, "Header; 1x48 pins; Male; Straight; Pitch 2.54mm; Samtec HMTSW Series", Manufacturer="Samtec Inc.", ComponentLink1Description="Supplier Info", ComponentLink2Description=Datasheet, ComponentLink2URL=https://www.samtec.com/products/hmtsw-148-07-g-s-240, Manufacturer Part Number=HMTSW-148-07-G-S-240
X2 X3 X5 X6: library part HDR_TH_1X3_M_00, "Header; 1x3 pins; Male; Straight; Pitch 2.54mm", Manufacturer="TE Connectivity", Manufacturer Part Number=825433-2, Supplier Part Number 1=A106465-ND, ComponentLink1Description="Supplier Info", ComponentLink1URL=https://www.digikey.de/product-detail/en/te-connectivity-amp-connectors/825433-3/A106465-ND/2054408, ComponentLink2Description=Datasheet, ComponentLink2URL=https://www.te.com/commerce/DocumentDelivery/DDEController?Action=srchrtrv&DocNm=825433&DocType=Customer+Drawing&DocLang=English, Supplier 1=Digi-Key
X4: library part HDR_TH_1X4_M_00, "Header; 1x4 pins; Male; Straight; Pitch 2.54mm; Samtec HMTSW Series", Manufacturer="Samtec Inc.", Supplier Part Number 1=HMTSW-104-07-G-S-240-ND, ComponentLink1Description="Supplier Info", ComponentLink1URL=https://www.digikey.de/en/products/detail/samtec-inc/HMTSW-104-07-G-S-240/8450698, ComponentLink2Description=Datasheet, ComponentLink2URL=https://mm.digikey.com/Volume0/opasdata/d220001/medias/docus/6129/hmtsw-xxx-xx-xxx-x-xxxx-xx-xx-mkt.pdf, Manufacturer Part Number=HMTSW-104-07-G-S-240, Supplier 1=Digi-Key
X7: "USB - mini A USB 2.0 Receptacle Connector 5 Position Surface Mount, Right Angle", Manufacturer="TE Connectivity AMP Connectors", Supplier Part Number 1=A123107-ND, ComponentLink1Description=Datasheet, ComponentLink1URL=https://www.mouser.de/datasheet/2/418/7/ENG_CD_1734327_D1-2016926.pdf, ComponentLink2Description="Supplier Info", ComponentLink2URL=https://www.digikey.de/en/products/detail/te-connectivity-amp-connectors/1734327-1/1891548, Manufacturer Part Number=1734327-1, Supplier 1=Digi-Key
X8: library part HDR_TH_1X3+1_M_00, "Header; 1x5 pins (with key); Male; Straight; Pitch 2.54mm; Samtec HMTSW Series", Manufacturer="Samtec Inc.", Manufacturer Part Number=HMTSW-105-07-G-S-240, Supplier Part Number 1=612-HMTSW-105-07-G-S-240-ND, ComponentLink1Description="Supplier Info", ComponentLink1URL=https://www.digikey.de/en/products/detail/samtec-inc/HMTSW-105-07-G-S-240/8451402, ComponentLink2Description=Datasheet, ComponentLink2URL=http://suddendocs.samtec.com/catalog_english/mtsw.pdf, Supplier 1=DigiKey
Y1: "Christal; SMD; 12 MHz ±30ppm; 10pF/50Ohm", Manufacturer="Abracon LLC", Supplier Part Number 1=535-ABM8-272-T3CT-ND, ComponentLink1Description=Datasheet, ComponentLink1URL=https://mm.digikey.com/Volume0/opasdata/d220001/medias/docus/6128/ABM8-272-T3.pdf, ComponentLink2Description="Supplier Info", ComponentLink2URL=https://www.digikey.de/en/products/detail/abracon-llc/ABM8-272-T3/22472366, Manufacturer Part Number=ABM8-272-T3, Supplier 1=Digi-Key

## Via types
v1: diameter 0.508, hole 0.203, Top Layer to Bottom Layer, tented both sides, 27 vias

## Nets (pads, with @x,y where several pads share a name; then routed paths per layer and width w, separated by ;. In a path a pad name is that pad's centre, name@x,y a point inside that pad or via, vN(x,y) a via of type N, cw(c..) or ccw(c..) an arc to the next point about the centre after c; other vN are vias at no path point)
+1V1: C1.2 C2.2 C3.2 C19.2 L1.1 U3.10 U3.32 U3.51 U3.65 | length 6
  Top Layer w0.2: 98.5,79.15 98.8,79.45 L1.1@98.8,82.011 ; 99.2,82.011 99.2,79.47 99.52,79.15
+1V8: C12.1 C13.2 C15.1 C16.2 C20.2 C26.1 JP2.1 U1.8 U2.8 U3.69 U4.5 X5.1 X5.2 X5.3 | length 6.5
  Top Layer w0.24: 92.45,67.995 92.45,68.864 92.45,69.364 93.15,70.064 95.299,70.064 96.35,71.115 96.459,71.115 96.69,71.346 96.69,71.455
+3V3: C18.2 C22.2 JP3.1 R3.1 R10.2 U3.64 U3.68 U5.2 U5.4 X3.1 X3.2 X3.3 | length 46.7
  Top Layer w1: 44.32,98.26 47,98.26
  Inner 3 w0.5: 47,98.26 52.77,98.26 56.55,102.04 67.95,102.04 69.53,103.62 85.212,103.62 87.73,101.103
D+: R9.1 X4.3 X7.3
D-: R8.1 X4.2 X7.2 | length 2.2
  Top Layer w0.2: 100.75,82.761 100.75,81.97 101.76,80.96
DM: R8.2 U3.66
DP: R9.2 U3.67 | length 1
  Top Layer w0.2: 99.6,85.911 U3.67@99.6,86.94
GND: C1.1 C2.1 C3.1 C4.1 C5.1 C6.1 C7.1 C8.1 C9.1 C10.1 C11.1 C12.2 C13.1 C14.1 C15.2 C16.1 C18.1 C19.1 C20.1 C21.1 C22.1 C23.1 C24.1 C25.2 C26.2 D1.2 R5.1 SW1.1 SW1.2 SW2.1 SW2.2 U1.0 U1.4 U2.4 U3.0 U3.62 U4.2 U5.1 X4.4 X6.1 X6.2 X6.3 X7.5 X7.6 X7.7 X7.8 X7.9 X8.2 Y1.2 Y1.4 | length 21.2
  Top Layer w0.45: 72.781,94.988 74,94.988
  Top Layer w0.5: 99.336,95.859 99.336,94.52 99.616,94.24 U3.0@99.616,93.052 ; 100.651,102.593 101.636,102.593 102.972,102.593 103.172,102.393 ; U3.0@101.636,93.052 101.636,94.152 ; SW1.1@127.046,71.726 131.564,71.726
  Top Layer w0.75: 101.636,100.693 103.172,100.693
  Top Layer w0.9: 114.36,54.4 X7.6@114.36,61.7
GPIO0: JP1.1 R1.1 R4.2 U3.77
IOVDD: C4.2 C5.2 C6.2 C7.2 C8.2 C9.2 C10.2 C11.2 JP2.2 JP3.2 R1.2 U3.5 U3.15 U3.24 U3.29 U3.41 U3.50 U3.60 U3.76 X8.4
NetC14_2: C14.2 R3.2 U3.61
NetC24_2: C24.2 R11.1 Y1.3 | length 7.6
  Top Layer w0.4: 93.954,98.954 93.954,99.454 94.449,99.949 97.169,99.949 97.529,100.308 97.529,101.643 98.451,101.644 Y1.3@99.336,101.644
NetD1_1: D1.1 R10.1 U3.59
NetJP1_2: JP1.2 X1.1
NetL1_2: L1.2 U3.63 | length 1.3
  Top Layer w0.2: L1.2@97.439,80.96 98,81.521 98,82.011
NetR6_1: R6.1 SW1.3 SW1.4
NetR7_1: R7.1 SW2.3 SW2.4
NetU3_1: U3.1 X1.5
NetU3_2: U3.2 X1.6
NetU3_3: U3.3 X1.7
NetU3_4: U3.4 X1.8
NetU3_6: U3.6 X1.9 | length 12.2
  Top Layer w0.3: 137.544,111.955 138.704,111.955 141.259,109.4 141.259,108.3 141.259,105.423 141.259,102.023
NetU3_7: U3.7 X1.10
NetU3_8: U3.8 X1.11 | length 24.5
  Inner 4 w0.254: 135.594,108.75 136.802,107.543 136.802,84.791
NetU3_9: U3.9 X1.12 | length 53.9
  Top Layer w0.15: 132.987,71.726 132.987,84.226 132.987,96.726 ; 132.987,116.85 132.987,109.225 132.987,96.726 ; 138.134,96.557 138.037,96.557 137.868,96.726 132.987,96.726 ; 139.459,96.557 139.464,96.562 139.464,97.613 139.864,98.013 140.459,98.013
  Top Layer w0.4: 138.134,96.557 139.459,96.557
NetU3_11: U3.11 X1.13 | length 8.4
  Top Layer w0.4: 128.273,108.617 129.498,108.617 129.732,108.382 129.732,107.95 X1.13@129.807,107.875 ; 129.812,106.664 X1.13@129.812,107.87
  Top Layer w0.5: 129.812,106.664 129.817,106.659 ; 130.757,106.659 X1.13@130.757,108.1
  Inner 1 w0.5: 128.008,110.175 128.009,110.174 128.357,110.174 130.428,108.102 130.755,108.102 X1.13@130.757,108.1
NetU3_12: U3.12 X1.14
NetU3_13: U3.13 X1.15 | length 17
  Top Layer w0.5: X1.15@124.746,108.275 124.746,107.256 125.026,106.976 125.026,105.868
  Inner 1 w0.5: 121.963,115.609 123.073,115.609 125.896,112.787 125.896,107.059 127.592,105.363 128.877,105.363
NetU3_14: U3.14 X1.16
NetU3_16: U3.16 X1.17
NetU3_17: U3.17 X1.18 | length 72.2
  Inner 4 w0.25: 117.75,86.34 117.75,107.801 121.963,112.015
  Inner 4 w0.3: 117.05,87.09 117.05,104.093 116.98,104.163 116.98,121.11 118.97,123.1 125.278,123.1 126.415,121.963
NetU3_18: U3.18 X1.19
NetU3_19: U3.19 X1.20
NetU3_20: U3.20 X1.21 | length 1.2
  Top Layer w0.5: 110.45,106.807 X1.21@110.45,108.02
NetU3_21: U3.21 X1.22 | length 26.5
  Top Layer w0.15: 107.577,116.892 107.577,109.289 107.577,96.809 107.577,92.973 107.986,92.564 108.749,92.564 108.753,92.568 110.009,92.568
NetU3_22: U3.22 X1.23
NetU3_23: U3.23 X1.24
NetU3_25: U3.25 X1.25
NetU3_26: U3.26 X1.26 | length 58.9
  Top Layer w0.4: 97.529,108.579 97.529,110.034 97.529,111.434
  Top Layer w0.5: 97.529,106.987 X1.26@97.529,107.779
  Inner 1 w0.5: 96.554,115.474 96.554,106.483 97.65,105.387 103.606,105.387
  Inner 4 w0.4: 95.41,121.963 95.41,109.623 96.554,108.479 96.554,105.666 98.58,103.64 98.58,93.163 101.45,90.293 101.45,85.711
NetU3_27: U3.27 X1.27 | length 4.4
  Top Layer w0.4: 95.579,106.987 95.579,107.489 96.879,108.789 96.879,110.034
  Top Layer w0.5: 93.954,106.987 93.954,107.779
NetU3_28: U3.28 X1.28 | length 94.2
  Inner 3 w0.3: 61.02,90.64 59.31,90.64 57.17,92.78 57.17,98.04 58.92,99.79 88.79,99.79 89.51,100.51 89.51,104.39 94.409,109.289 108.591,109.289 112.742,113.44 130.53,113.44 132.1,115.01
NetU3_36: U3.36 X1.29
NetU3_37: U3.37 X1.30
NetU3_38: U3.38 X1.31
NetU3_39: U3.39 X1.32
NetU3_40: U3.40 X1.33
NetU3_42: U3.42 X1.34
NetU3_43: U3.43 X1.35
NetU3_44: U3.44 X1.36 | length 47.1
  Top Layer w0.5: 72.495,107.261 X1.36@72.495,107.911
  Inner 1 w0.35: 72.495,113.621 71.79,112.916 71.79,105.61 73.975,103.425 83.403,103.425 88.761,98.067 88.761,95.539 95,89.3 98.47,89.3 100.445,87.325 100.445,86.957 100.463,86.94
NetU3_45: U3.45 X1.37
NetU3_46: U3.46 X1.38 | length 44.9
  Inner 1 w0.3: 47,95.72 50.86,99.58 65.3,99.58 66.34,100.62 66.34,111.3 73.395,118.355 76.3,118.355
NetU3_47: U3.47 X1.39
NetU3_48: U3.48 X1.40
NetU3_49: U3.49 X1.41
NetU3_52: U3.52 X1.42
NetU3_53: U3.53 X1.43
NetU3_54: U3.54 X1.44
NetU3_55: U3.55 X1.45 | length 343.5
  Bottom Layer w0.2: 47,116.04 48.72,114.32 48.72,66.55 58.571,56.699 165.569,56.699 165.8,56.93 165.84,56.93 ; 47,118.58 49.48,116.1 49.48,67.77 59.65,57.6 165.107,57.6 165.277,57.77 165.36,57.77
NetU3_56: U3.56 X1.46
NetU3_57: U3.57 X1.47
NetU3_58: U3.58 X1.48
NetU3_78: U3.78 X1.2
NetU3_79: U3.79 X1.3
NetU3_80: U3.80 X1.4
QSPI_CS: R4.1 R5.2 U2.1
QSPI_SCLK: U1.6 U2.6 U3.71
QSPI_SD0: U1.5 U2.5 U3.72
QSPI_SD1: U1.2 U2.2 U3.74
QSPI_SD2: U1.3 U2.3 U3.73
QSPI_SD3: U1.7 U2.7 U3.70
QSPI_SS: R6.2 U1.1 U3.75
RUN: R7.2 U3.35
SWCLK: U3.33 X8.1
SWDIO: U3.34 X8.3
VBUS: C21.2 C25.1 U4.1 U4.3 U5.3 X2.1 X2.2 X2.3 X4.1 X7.1
XIN: C23.2 U3.30 Y1.1
XOUT: R11.2 U3.31
pads on no net: D1.3 U4.4 X7.0 X7.4